# Altium PCB MiniPC.PcbDoc (part 6 of 23) (continued)
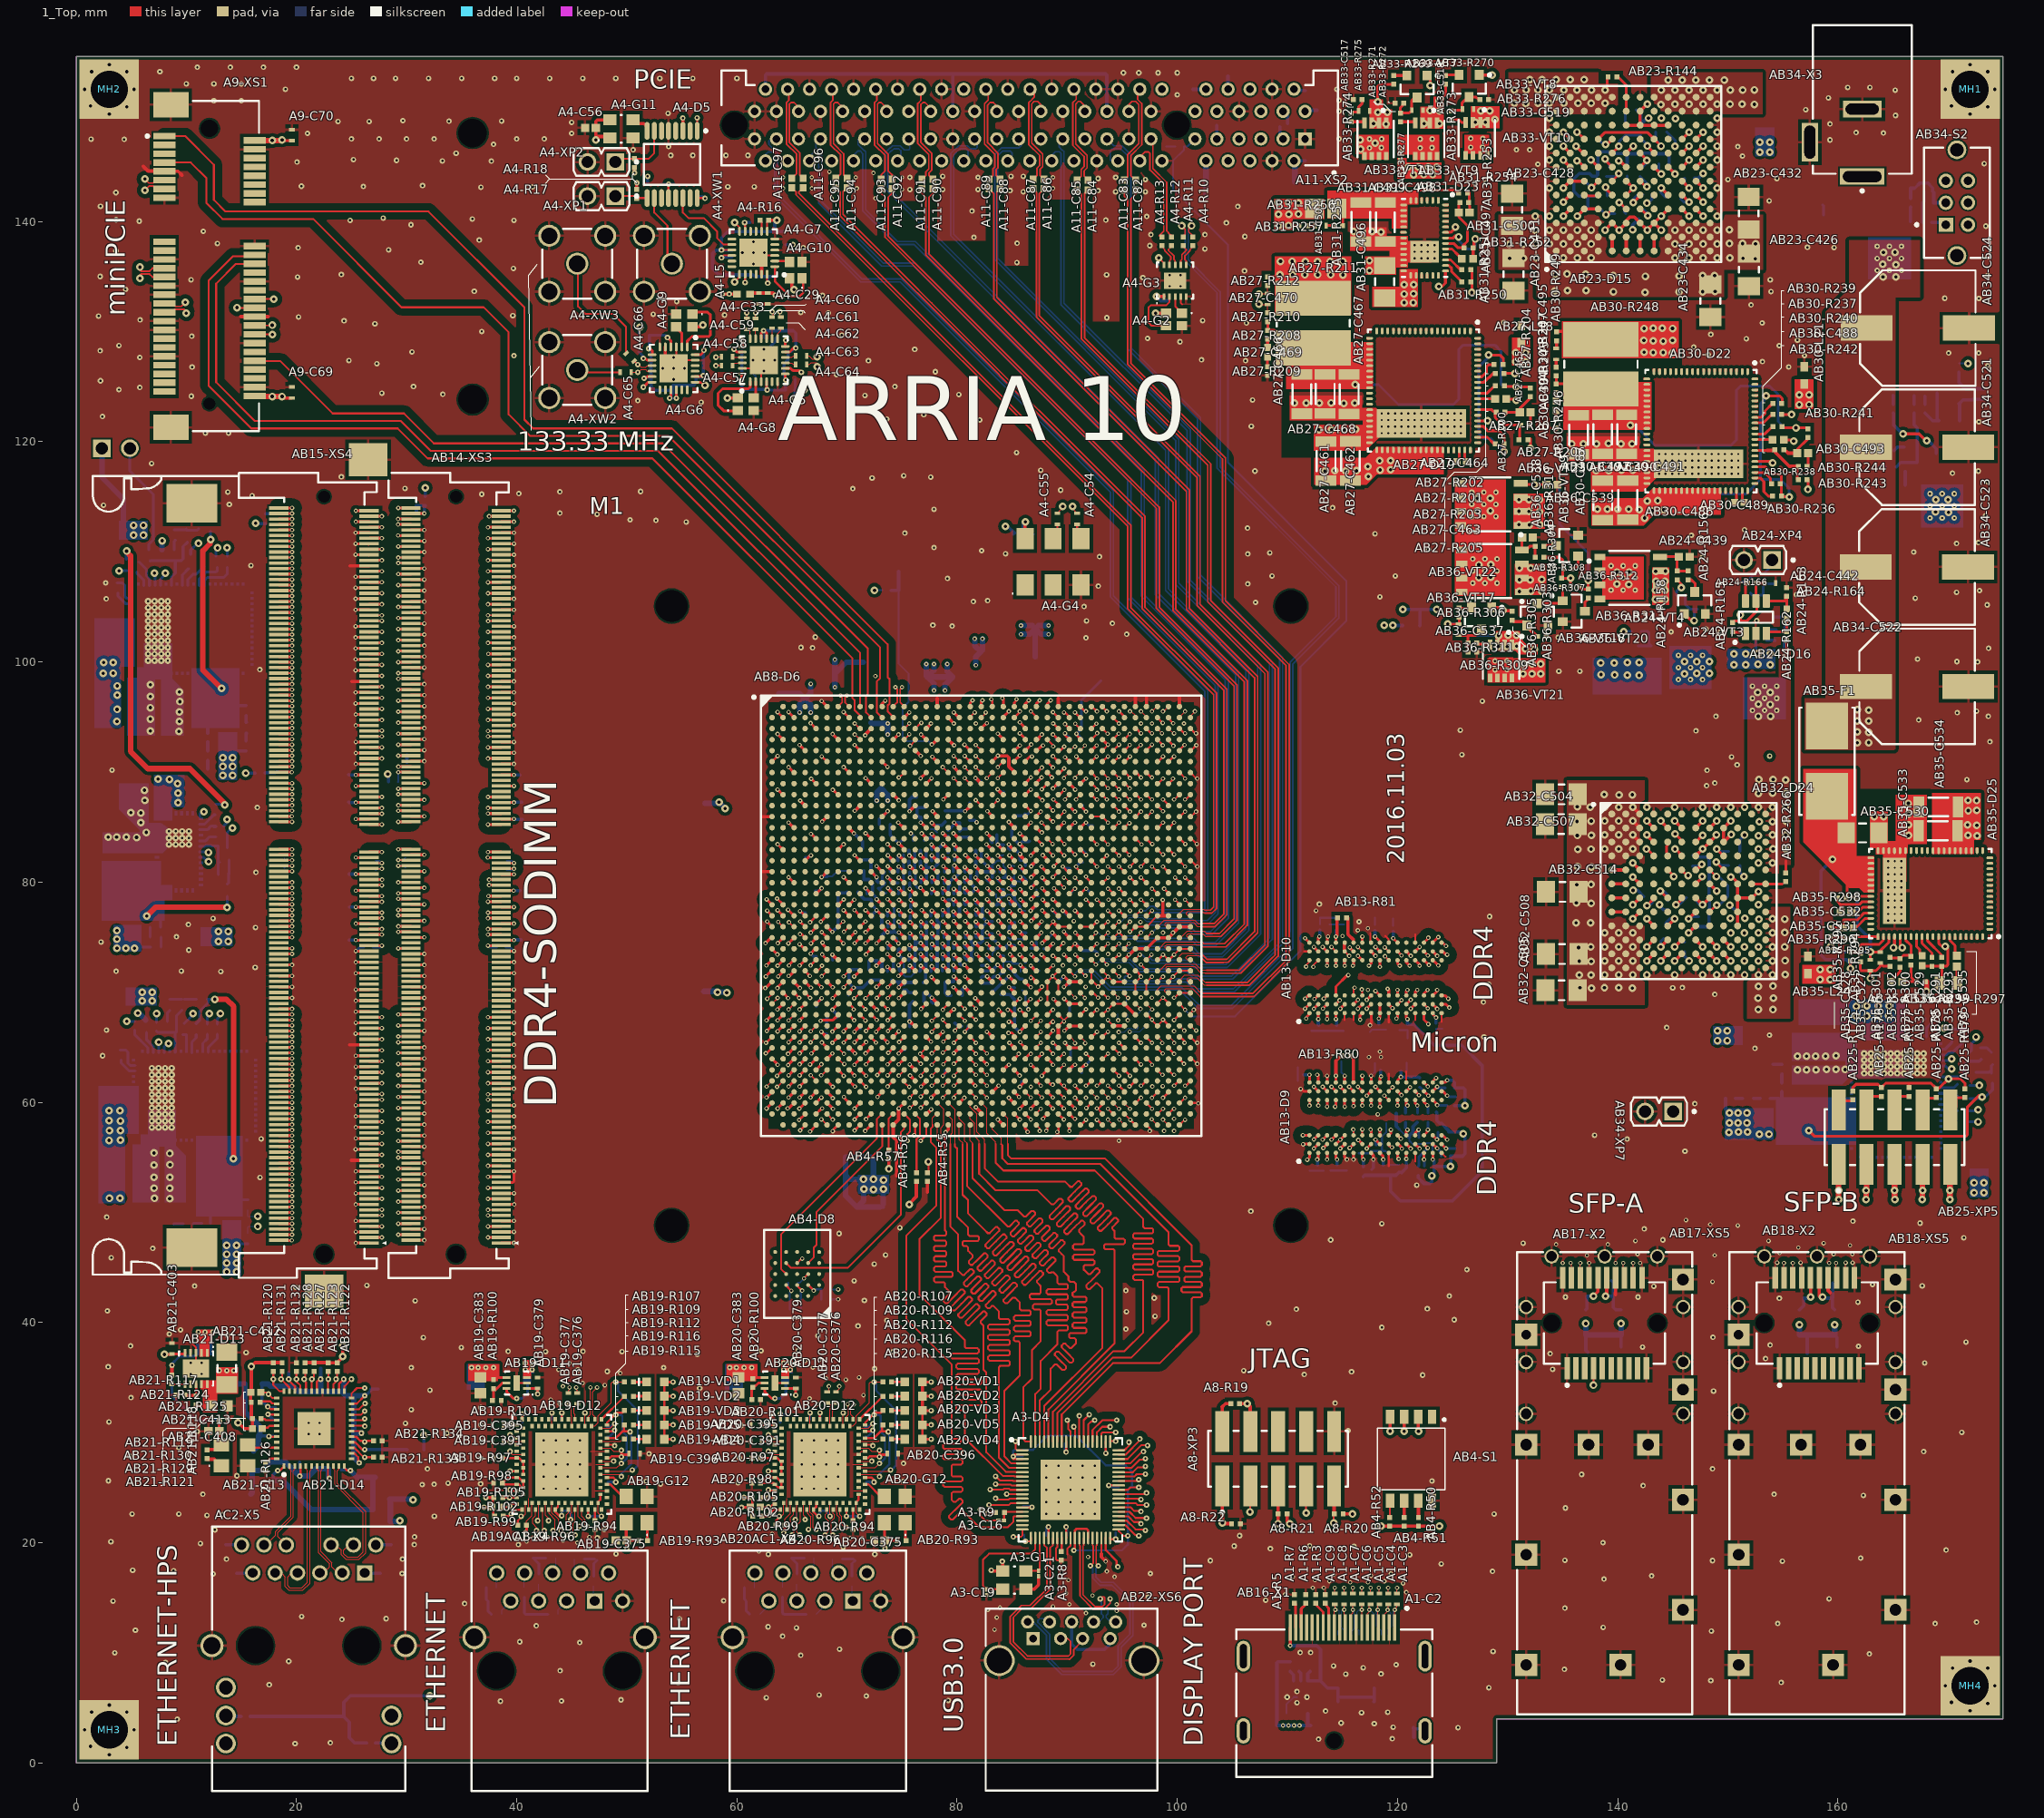
[diagram p0: 1_Top view]
## Footprints (in the part's own frame and the unit in brackets; to place one, negate y for a bottom-side part, rotate by r counter-clockwise, add the part's x,y. Pads: shape width x height; smd on the part's side, far side on the other; paste and mask are expansions set on the pad) (continued)
  round 0 hole 2.35 unplated: MH1(13.367,0) MH2(-26.793,0)
  silkscreen extent -28,-4.47 28,4.96, body extent -28,-3.65 28,5.05, height 11.01
SMTC-TSM-105-01-T-DV_V [mm]
  rect 1.27x3.68 smd: 1(-5.08,-2.475) 2(-5.08,2.475) 3(-2.54,-2.475) 4(-2.54,2.475) 5(0,-2.475) 6(0,2.475) 7(2.54,-2.475) 8(2.54,2.475) 9(5.08,-2.475) 10(5.08,2.475)
  silkscreen extent -6.35,-4.99 6.35,2.54, body extent -6.35,-3.85 6.35,3.85, height 9.65
STAC-CSS2725-099H_V [mm]
  rect 3.18x6.86 smd: 1(-2.25,0) 2(2.25,0)
  silkscreen extent -0.3,-3.33 0.3,3.33, body extent -3.53,-3.35 3.53,3.35, height 1.24
VISH-PPAK1212-8S_V [mm]
  rect 0.99x0.405 smd: 1(-1.435,0.99) 2(-1.435,0.33) 3(-1.435,-0.33) 4(-1.435,-0.99)
  rect 0.76x0.405 smd: 5(1.55,-0.99) 6(1.55,-0.33) 7(1.55,0.33) 8(1.55,0.99)
  1_Top region: -0.305,-1.117 1.42,-1.117 1.42,1.117 -0.305,1.117
  silkscreen extent -2.7,-1.65 1.65,1.65, body extent -1.65,-1.65 1.65,1.65, height 0.83
VISH-PPAKSO-8_V [mm]
  rect 1.27x0.61 smd: 1(-2.732,1.905) 2(-2.732,0.635) 3(-2.732,-0.635) 4(-2.732,-1.905)
  rect 1.02x0.61 smd: 5(2.733,-1.905) 6(2.733,-0.635) 7(2.733,0.635) 8(2.733,1.905)
  1_Top region: -1.277,1.955 2.533,1.955 2.533,-1.955 -1.277,-1.955
  silkscreen extent -2.86,-2.45 1.9,2.88, body extent -2.95,-2.45 2.95,2.45, height 1.12
WE-7499111001A_V [mm]
  rect 1.4x1.4 hole 0.89: 1(-3.175,-1.905)
  round 1.4 hole 0.89: 2(-1.905,-4.445) 3(0.635,-4.445) 4(1.905,-1.905) 5(-0.635,-1.905) 6(3.175,-4.445) 7(4.445,-1.905) 8(5.715,-4.445) 9(-4.445,-4.445) 10(-5.715,-1.905)
  round 0 hole 3.25 unplated: MH1(-5.715,4.445) MH2(5.715,4.445)
  round 2.15 hole 1.63: S1(-7.745,1.395) S2(7.745,1.395)
  silkscreen extent -8,-6.49 8,15.35, body extent -9.22,-6.26 9.22,15.34, height 14.82
WE-61300211121_V [mm]
  rect 1.6x1.6 hole 1.1: 1(-1.27,0)
  round 1.6 hole 1.1: 2(1.27,0)
  silkscreen extent -3.31,-1.27 2.54,1.27, body extent -2.54,-1.27 2.54,1.27, height 8.54

## Part data
A1-C1 A4-C36 AB19-C383 AB20-C383 AB21-C406 AB21-C410 AB21-C413 AB21-C416 AB21-C417 AB21-C421: library part E23, "Chip Capacitor, 2.2 uF, +/- 10%, 10 V, -55 to 85 degC, 0603 (1608 Metric), RoHS, Tape and Reel", Capacitance="2.2 uF", Case/Package=0603, Case Code (Metric)=1608, Max Operating Temperature="85 degC", Min Operating Temperature="-55 degC", Package Quantity=10000, Tolerance=10%, Case Code (Imperial)=0603, ComponentLink1Description="Manufacturer URL", ComponentLink1URL=http://www.murata.com/, ComponentLink2Description=Datasheet, ComponentLink2URL=https://datasheet.ciiva.com/134/grm188r61a225ke34-01-134206.pdf, DatasheetVersion=01/2013, Height="0.8 mm", Length="0.063 inch", Mounting Technology="Surface Mount", PackageDescription="2-Pin Surface Mount Device, Body 1.6 x 0.8 mm", Packaging="Tape and Reel", PartNumber=GRM188R61A225KE34x, Radiation Hardening=No, RoHSCompliant=True, UID=E23, Width="0.031 inch", Тип элемента=Конденсатор
  A1-C1: New_des=C1, Old_des=C297
  A4-C36: New_des=C36, Old_des=C542
  AB19-C383 AB20-C383: New_des=C393, Old_des=C329
  AB21-C406: New_des=C415, Old_des=C386
  AB21-C410: New_des=C419, Old_des=C379
  AB21-C413: New_des=C422, Old_des=C375
  AB21-C416: New_des=C425, Old_des=C372
  AB21-C417: New_des=C426, Old_des=C382
  AB21-C421: New_des=C430, Old_des=C368
A1-C2 A1-C3 A1-C4 A1-C5 A1-C6 A1-C7 A1-C8 A1-C9 A1-C10 A1-C11 A1-C12 A3-C18 A3-C20 A3-C22 A3-C23 A3-C24 A3-C25 A3-C26 A3-C27 A4-C29 A4-C30 A4-C31 A4-C32 A4-C33 A4-C34 A4-C35 A4-C38 A4-C39 A4-C40 A4-C41 A4-C42 A4-C43 A4-C44 A4-C45 A4-C46 A4-C47 A4-C48 A4-C49 A4-C50 A4-C51 A4-C52 A4-C53 A4-C54 A4-C55 A4-C57 A4-C58 A4-C59 A4-C60 A4-C61 A4-C62 A4-C63 A4-C64 A4-C65 A4-C66 A4-C67 A4-C68 A9-C69 A9-C70 A11-C72 A11-C73 A11-C74 A11-C75 A11-C76 A11-C77 A11-C78 A11-C79 A11-C80 AB3-C334 AB4-C335 AB4-C336 AB14-C356 AB14-C357 AB14-C358 AB14-C359 AB14-C360 AB14-C361 AB14-C362 AB15-C363 AB15-C364 AB15-C365 AB15-C366 AB15-C367 AB15-C368 AB15-C369 AB17-C370 AB17-C372 AB17-C373 AB18-C370 AB18-C372 AB18-C373 AB19-C376 AB19-C377 AB19-C380 AB19-C382 AB19-C384 AB19-C385 AB19-C386 AB19-C388 AB19-C389 AB19-C390 AB19-C391 AB19-C392 AB19-C393 AB19-C395 AB19-C396 AB19-C397 AB19-C398 AB20-C376 AB20-C377 AB20-C380 AB20-C382 AB20-C384 AB20-C385 AB20-C386 AB20-C388 AB20-C389 AB20-C390 AB20-C391 AB20-C392 AB20-C393 AB20-C395 AB20-C396 AB20-C397 AB20-C398 AB21-C407 AB21-C411 AB21-C414 AB21-C415 AB21-C420 AB24-C440 AB24-C442 AB34-C520: library part E11, "Chip Capacitor, 0.1 uF, +/- 20%, 25 V, -55 to 125 degC, 0402 (1005 Metric), RoHS, Tape and Reel", Capacitance="100 nF", Case\/Package=0402, Case Code (Metric)=1005, Max Operating Temperature="125 degC", Min Operating Temperature="-55 degC", Package Quantity=10000, Tolerance=20%, Type (Capacitors)=X7R, Voltage Rating="25 V", Case Code (Imperial)=0402, ComponentLink1Description="Manufacturer URL", ComponentLink1URL=http://www.tdk.com/, ComponentLink2Description=Datasheet, ComponentLink2URL=http://www.farnell.com/datasheets/1571323.pdf, DatasheetVersion=09/2011, Height="0.5 mm", Length="1 mm", Mount="Surface Mount", Mounting Technology="Surface Mount", PackageDescription="2-Pin Surface Mount Device, Body 1 x 0.5 mm", PackageReference=0402, Packaging="Tape and Reel", PartNumber=C1005X7R1E104M, Pins=2, RoHSCompliant=true, UID=E11, Voltage Rating (DC)="25 V", Width="0.5 mm", Тип элемента=Конденсатор
  A1-C2: New_des=C2, Old_des=C309
  A1-C3: New_des=C3, Old_des=C307
  A1-C4: New_des=C4, Old_des=C306
  A1-C5: New_des=C5, Old_des=C305
  A1-C6: New_des=C6, Old_des=C304
  A1-C7: New_des=C7, Old_des=C303
  A1-C8: New_des=C8, Old_des=C302
  A1-C9: New_des=C9, Old_des=C301
  A1-C10: New_des=C10, Old_des=C298
  A1-C11: New_des=C12, Old_des=C300
  A1-C12: New_des=C11, Old_des=C299
  A3-C18: New_des=C18, Old_des=C570
  A3-C20: New_des=C20, Old_des=C571
  A3-C22: New_des=C22, Old_des=C566
  A3-C23: New_des=C23, Old_des=C572
  A3-C24: New_des=C24, Old_des=C567
  A3-C25: New_des=C25, Old_des=C573
  A3-C26: New_des=C26, Old_des=C568
  A3-C27: New_des=C27, Old_des=C574
  A4-C29: New_des=C29, Old_des=C540
  A4-C30: New_des=C30, Old_des=C510
  A4-C31: New_des=C31, Old_des=C525
  A4-C32: New_des=C32, Old_des=C541
  A4-C33: New_des=C33, Old_des=C539
  A4-C34: New_des=C34, Old_des=C511
  A4-C35: New_des=C35, Old_des=C526
  A4-C38: New_des=C38, Old_des=C532
  A4-C39: New_des=C39, Old_des=C512
  A4-C40: New_des=C40, Old_des=C527
  A4-C41: New_des=C41, Old_des=C533
  A4-C42: New_des=C42, Old_des=C548
  A4-C43: New_des=C43, Old_des=C513
  A4-C44: New_des=C44, Old_des=C528
  A4-C45: New_des=C45, Old_des=C538
  A4-C46: New_des=C46, Old_des=C534
  A4-C47: New_des=C47, Old_des=C514
  A4-C48: New_des=C48, Old_des=C529
  A4-C49: New_des=C49, Old_des=C537
  A4-C50: New_des=C50, Old_des=C535
  A4-C51: New_des=C51, Old_des=C515
  A4-C52: New_des=C52, Old_des=C530
  A4-C53: New_des=C53, Old_des=C536
  A4-C54: New_des=C54, Old_des=C544
  A4-C55: New_des=C55, Old_des=C545
  A4-C57: New_des=C57, Old_des=C516
  A4-C58: New_des=C58, Old_des=C517
  A4-C59: New_des=C59, Old_des=C518
  A4-C60: New_des=C60, Old_des=C519
  A4-C61: New_des=C61, Old_des=C520
  A4-C62: New_des=C62, Old_des=C521
  A4-C63: New_des=C63, Old_des=C522
  A4-C64: New_des=C64, Old_des=C523
  A4-C65: New_des=C65, Old_des=C524
  A4-C66: New_des=C66, Old_des=C531
  A4-C67: New_des=C67, Old_des=C546
  A4-C68: New_des=C68, Old_des=C547
  A9-C69: New_des=C69, Old_des=C481
  A9-C70: New_des=C70, Old_des=C482
  A11-C72: New_des=C72, Old_des=C501
  A11-C73: New_des=C73, Old_des=C483
  A11-C74: New_des=C74, Old_des=C502
  A11-C75: New_des=C75, Old_des=C503
  A11-C76: New_des=C76, Old_des=C504
  A11-C77: New_des=C77, Old_des=C505
  A11-C78: New_des=C78, Old_des=C506
  A11-C79: New_des=C79, Old_des=C507
  A11-C80: New_des=C80, Old_des=C508
  AB3-C334: New_des=C334, Old_des=C131
  AB4-C335: New_des=C335, Old_des=C388
  AB4-C336: New_des=C336, Old_des=C389
  AB14-C356: New_des=C356, Old_des=C288
  AB14-C357: New_des=C357, Old_des=C283
  AB14-C358: New_des=C358, Old_des=C284
  AB14-C359: New_des=C359, Old_des=C285
  AB14-C360: New_des=C360, Old_des=C286
  AB14-C361: New_des=C361, Old_des=C289
  AB14-C362: New_des=C362, Old_des=C287
  AB15-C363: New_des=C372, Old_des=C295
  AB15-C364: New_des=C373, Old_des=C290
  AB15-C365: New_des=C374, Old_des=C291
  AB15-C366: New_des=C375, Old_des=C292
  AB15-C367: New_des=C376, Old_des=C293
  AB15-C368: New_des=C377, Old_des=C296
  AB15-C369: New_des=C378, Old_des=C294
  AB17-C370 AB18-C370: New_des=C379, Old_des=C551
  AB17-C372 AB18-C372: New_des=C381, Old_des=C553
  AB17-C373 AB18-C373: New_des=C382, Old_des=C550
  AB19-C376 AB20-C376: New_des=C385, Old_des=C315
  AB19-C377 AB20-C377: New_des=C386, Old_des=C313
  AB19-C380 AB20-C380: New_des=C389, Old_des=C319
  AB19-C382 AB20-C382: New_des=C390, Old_des=C320
  AB19-C384 AB20-C384: New_des=C392, Old_des=C321
  AB19-C385 AB20-C385: New_des=C395, Old_des=C331
  AB19-C386 AB20-C386: New_des=C394, Old_des=C322
  AB19-C388 AB20-C388: New_des=C398, Old_des=C332
  AB19-C389 AB20-C389: New_des=C397, Old_des=C323
  AB19-C390 AB20-C390: New_des=C399, Old_des=C316
  AB19-C391 AB20-C391: New_des=C401, Old_des=C333
  AB19-C392 AB20-C392: New_des=C400, Old_des=C324
  AB19-C393 AB20-C393: New_des=C402, Old_des=C317
  AB19-C395 AB20-C395: New_des=C405, Old_des=C334
  AB19-C396 AB20-C396: New_des=C404, Old_des=C325
  AB19-C397 AB20-C397: New_des=C408, Old_des=C335
  AB19-C398 AB20-C398: New_des=C407, Old_des=C326
  AB21-C407: New_des=C416, Old_des=C387
  AB21-C411: New_des=C420, Old_des=C380
  AB21-C414: New_des=C423, Old_des=C373
  AB21-C415: New_des=C424, Old_des=C383
  AB21-C420: New_des=C429, Old_des=C369
  AB24-C440: New_des=C449, Old_des=C68
  AB24-C442: New_des=C451, Old_des=C69
  AB34-C520: New_des=C520, Old_des=C79
A1-C13: library part E24, "Chip Capacitor, 4.7 nF, +/- 10%, 50 V, -55 to 125 degC, 0402 (1005 Metric), RoHS, Tape and Reel", Capacitance="4.7 nF", Case\/Package=0402, Case Code (Metric)=1005, Manufacturer="Basic Passives", Max Operating Temperature="125 degC", Min Operating Temperature="-55 degC", Package Quantity=1, Tolerance=10%, Type (Capacitors)=X7R, Voltage Rating="50 V", Case Code (Imperial)=0402, ComponentLink1Description="Manufacturer URL", ComponentLink1URL=http://www.murata.com/, ComponentLink2Description=Datasheet, ComponentLink2URL=http://search.murata.co.jp/Ceramy/image/img/A01X/G101/ENG/GRM155R71H472KA01-01.pdf, DatasheetVersion=02/2016, Height="0.5 mm", Lead Pitch="2 mm", Length="1 mm", Mount="Surface Mount", Mounting Technology="Surface Mount", New_des=C13, Old_des=C308, PackageDescription="2-Pin Surface Mount Device, Body 1 x 0.5 mm", PackageReference=0402, Packaging="Cut Tape", PartNumber=GRM155R71H472KA01D, Pins=2, Radiation Hardening=No, REACH SVHC="No SVHC", RoHSCompliant=true, UID=E24, Voltage Rating (DC)="50 V", Width="0.5 mm", Тип элемента=Конденсатор
A1-D1: library part E115, "Adjustable Current-Limit Switch, 1.7 to 5.5 V, -40 to 125 degC, 8-Pin TDFN (T833+2), RoHS", Manufacturer=Maxim, Operating Temperature="-40 to 125 degC", ComponentLink1Description="Manufacturer URL", ComponentLink1URL=http://www.maximintegrated.com/, ComponentLink2Description=Datasheet, ComponentLink2URL=http://datasheets.maximintegrated.com/en/ds/MAX14523A-MAX14523C.pdf, ComponentLink3Description="Package Specification", ComponentLink3URL=http://pdfserv.maximintegrated.com/package_dwgs/21-0137.PDF, DatasheetVersion="Rev. 1", ILIM="0.25 to 1.5 A", IQ="170 uA Typ.", Mounting Technology="Surface Mount", New_des=D1, Old_des=U16, PackageDescription="8-Pin SON, Body 3 x 3 mm, Pitch 0.65 mm", PackageVersion=Mar-14, PartNumber=MAX14523AATA+, RoHS=TRUE, RON="70 mOhm Typ.", UID=E115, VIH="1.6 V Min.", VIL="0.4 V Max.", VIN="1.7 to 5.5 V", Тип элемента="Электронный ключ"
A1-D2 A1-D3: library part E29, "TVS Diode WE-TVS-SS, VRWM=5V", Manufacturer="Wuerth Elektronik", Reverse Stand Off Voltage=5V, ComponentLink1Description="Manufacturer URL", ComponentLink1URL=http://www.we-online.com, ComponentLink2Description=Datasheet, ComponentLink2URL=http://katalog.we-online.de/kataloge/eisos/media/pdf/82401646.pdf, PackageReference=MSOP-8L, PartNumber=82401646, UID=E29, Тип элемента="Сборка диодная"
  A1-D2: New_des=D2, Old_des=D3
  A1-D3: New_des=D3, Old_des=D4
A1-R1: library part E98, "Chip Resistor, 280 KOhm, +/- 1%, 100 mW, -55 to 155 degC, 0402 (1005 Metric), RoHS, Cut Tape", Case\/Package=0402, Case Code (Metric)=1005, Manufacturer="Basic Passives", Max Operating Temperature="155 degC", Min Operating Temperature="-55 degC", Package Quantity=10000, Power Rating="100 mW", Resistance="280 KOhm", Tolerance=1%, Voltage Rating="50 V", Case Code (Imperial)=0402, ComponentLink1Description="Manufacturer URL", ComponentLink1URL=http://www.panasonic.com/, ComponentLink2Description=Datasheet, ComponentLink2URL=http://industrial.panasonic.com/cdbs/www-data/pdf/RDA0000/AOA0000C86.pdf, DatasheetVersion=04/2015, Height="0.016 inch", Length="0.039 inch", Mount="Surface Mount", Mounting Technology="Surface Mount", New_des=R1, Old_des=R243, PackageDescription="2-Pin Surface Mount Device, Body 1 x 0.5 mm", PackageReference=0402, Packaging="Cut Tape", PartNumber=ERJ-2RKF2803X, Pins=2, REACH SVHC=Yes, RoHSCompliant=true, UID=E98, Width="0.02 inch", Тип элемента=Резистор
A1-R2 A1-R7 AB3-R44 AB24-R152 AB24-R154 AB24-R158 AB24-R160 AB25-R168 AB26-R187 AB27-R200 AB28-R215 AB29-R229 AB30-R236 AB31-R251 AB33-R272 AB33-R275 AB33-R276 AB33-R277 AB34-R285 AB34-R290 AB35-R295 AB36-R304 AB36-R307 AB36-R308 AB36-R312: library part E58, "Chip Resistor, 100 KOhm, +/- 1%, 100 mW, -55 to 155 degC, 0402 (1005 Metric), RoHS, Tape and Reel", Case\/Package=0402, Case Code (Metric)=1005, Manufacturer="Basic Passives", Max Operating Temperature="155 degC", Min Operating Temperature="-55 degC", Package Quantity=10000, Power Rating="100 mW", Resistance="100 KOhm", Tolerance=1%, Voltage Rating="50 V", Case Code (Imperial)=0402, ComponentLink1Description="Manufacturer URL", ComponentLink1URL=http://www.panasonic.com/, ComponentLink2Description=Datasheet, ComponentLink2URL=http://industrial.panasonic.com/cdbs/www-data/pdf/RDA0000/AOA0000C86.pdf, DatasheetVersion=04/2015, Height="0.35 mm", Length="1 mm", Mount="Surface Mount", Mounting Technology="Surface Mount", PackageDescription="2-Pin Surface Mount Device, Body 1 x 0.5 mm", PackageReference=0402, Packaging="Tape and Reel", PartNumber=ERJ-2RKF1003X, Pins=2, Radiation Hardening=No, REACH SVHC=Yes, RoHSCompliant=true, UID=E58, Width="0.5 mm", Тип элемента=Резистор
  A1-R2: New_des=R2, Old_des=R242
  A1-R7: New_des=R7, Old_des=R244
  AB3-R44: New_des=R44, Old_des=R207
  AB24-R152: New_des=R171, Old_des=R125
  AB24-R154: New_des=R173, Old_des=R124
  AB24-R158: New_des=R177, Old_des=R115
  AB24-R160: New_des=R179, Old_des=R116
  AB25-R168: New_des=R90, Old_des=R77
  AB26-R187: New_des=R188, Old_des=R61
  AB27-R200: New_des=R200, Old_des=R47
  AB28-R215: New_des=R215, Old_des=R34
  AB29-R229: New_des=R229, Old_des=R89
  AB30-R236: New_des=R237, Old_des=R102
  AB31-R251: New_des=R251, Old_des=R111
  AB33-R272: New_des=R272, Old_des=R16
  AB33-R275: New_des=R276, Old_des=R20
  AB33-R276: New_des=R274, Old_des=R17
  AB33-R277: New_des=R277, Old_des=R18
  AB34-R285: New_des=R285, Old_des=R137
  AB34-R290: New_des=R290, Old_des=R131
  AB35-R295: New_des=R295, Old_des=R176
  AB36-R304: New_des=R304, Old_des=R10
  AB36-R307: New_des=R307, Old_des=R4
  AB36-R308: New_des=R308, Old_des=R8
  AB36-R312: New_des=R312, Old_des=R5
A1-R3 A1-R4 A1-R6 AB29-R230: library part E81, "Chip Resistor, 1 MOhm, +/- 1%, 100 mW, -55 to 155 degC, 0402 (1005 Metric), RoHS, Tape and Reel", Case\/Package=0402, Case Code (Metric)=1005, Manufacturer="Basic Passives", Max Operating Temperature="155 degC", Min Operating Temperature="-55 degC", Package Quantity=10000, Power Rating="100 mW", Resistance="1 MOhm", Tolerance=1%, Voltage Rating="50 V", Case Code (Imperial)=0402, ComponentLink1Description="Manufacturer URL", ComponentLink1URL=http://www.panasonic.com/, ComponentLink2Description=Datasheet, ComponentLink2URL=http://industrial.panasonic.com/cdbs/www-data/pdf/RDA0000/AOA0000C86.pdf, DatasheetVersion=04/2015, Height="0.35 mm", Length="1 mm", Mount="Surface Mount", Mounting Technology="Surface Mount", PackageDescription="2-Pin Surface Mount Device, Body 1 x 0.5 mm", PackageReference=0402, Packaging="Tape and Reel", PartNumber=ERJ-2RKF1004X, Pins=2, Radiation Hardening=No, REACH SVHC=Yes, RoHSCompliant=true, UID=E81, Weight=2.8E-05oz, Width="0.5 mm", Тип элемента=Резистор
  A1-R3: New_des=R3, Old_des=R246
  A1-R4: New_des=R5, Old_des=R248
  A1-R6: New_des=R6, Old_des=R247
  AB29-R230: New_des=R230, Old_des=R88
A1-R5 A4-R10 A4-R11 A4-R12 A4-R13 AB2-R24 AB2-R25 AB4-R55 AB19-R97 AB19-R98 AB20-R97 AB20-R98 AB23-R135 AB23-R136 AB23-R137 AB23-R144 AB23-R145 AB25-R167 AB25-R171 AB25-R173 AB26-R188 AB26-R189 AB26-R191 AB27-R203 AB27-R204 AB28-R217 AB28-R218 AB29-R232 AB30-R238 AB30-R240 AB30-R241 AB31-R250 AB31-R254 AB32-R258 AB32-R259 AB32-R260 AB32-R266 AB35-R299: library part E64, "Chip Resistor, 0 mOhm, +/- 5%, 100 mW, -55 to 155 degC, 0402 (1005 Metric), RoHS, Tape and Reel", Case\/Package=0402, Case Code (Metric)=1005, Manufacturer="Basic Passives", Max Operating Temperature="155 degC", Min Operating Temperature="-55 degC", Package Quantity=10000, Power Rating="100 mW", Resistance="0 mOhm", Tolerance=5%, Voltage Rating="50 V", Case Code (Imperial)=0402, ComponentLink1Description="Manufacturer URL", ComponentLink1URL=http://www.panasonic.com/, ComponentLink2Description=Datasheet, ComponentLink2URL=http://industrial.panasonic.com/cdbs/www-data/pdf/RDA0000/AOA0000C84.pdf, DatasheetVersion=03/2015, Height="0.35 mm", Length="1 mm", Mount="Surface Mount", Mounting Technology="Surface Mount", PackageDescription="2-Pin Surface Mount Device, Body 1 x 0.5 mm", PackageReference=0402, Packaging="Tape and Reel", PartNumber=ERJ-2GE0R00X, Pins=2, Radiation Hardening=No, REACH SVHC=Unknown, RoHSCompliant=true, UID=E64, Width="0.5 mm", Тип элемента=Резистор
  A1-R5: New_des=R4, Old_des=R245
  A4-R10: New_des=R10, Old_des=R335
  A4-R11: New_des=R11, Old_des=R336
  A4-R12: New_des=R12, Old_des=R337
  A4-R13: New_des=R13, Old_des=R338
  AB2-R24: New_des=R24, Old_des=R326
  AB2-R25: New_des=R25, Old_des=R327
  AB4-R55: New_des=R56, Old_des=R323
  AB19-R97 AB20-R97: New_des=R116, Old_des=R257
  AB19-R98 AB20-R98: New_des=R117, Old_des=R258
  AB23-R135: New_des=R154, Old_des=R156
  AB23-R136: New_des=R155, Old_des=R157
  AB23-R137: New_des=R156, Old_des=R166
  AB23-R144: New_des=R163, Old_des=R155
  AB23-R145: New_des=R165, Old_des=R163
  AB25-R167: New_des=R89, Old_des=R74
  AB25-R171: New_des=R92, Old_des=R71
  AB25-R173: New_des=R94, Old_des=R68
  AB26-R188: New_des=R187, Old_des=R59
  AB26-R189: New_des=R189, Old_des=R57
  AB26-R191: New_des=R191, Old_des=R54
  AB27-R203: New_des=R203, Old_des=R43
  AB27-R204: New_des=R204, Old_des=R41
  AB28-R217: New_des=R216, Old_des=R29
  AB28-R218: New_des=R218, Old_des=R26
  AB29-R232: New_des=R232, Old_des=R85
  AB30-R238: New_des=R236, Old_des=R100
  AB30-R240: New_des=R240, Old_des=R97
  AB30-R241: New_des=R241, Old_des=R95
  AB31-R250: New_des=R250, Old_des=R109
  AB31-R254: New_des=R254, Old_des=R107
  AB32-R258: New_des=R258, Old_des=R143
  AB32-R259: New_des=R259, Old_des=R142
  AB32-R260: New_des=R260, Old_des=R149
  AB32-R266: New_des=R266, Old_des=R141
  AB35-R299: New_des=R299, Old_des=R173
A3-C14 A3-C15 A3-C16 A3-C17 A3-C19 A3-C21 A3-C28 AB1-C98 AB1-C99 AB1-C100 AB1-C101 AB1-C102 AB1-C103 AB1-C104 AB1-C105 AB1-C110 AB1-C111 AB1-C112 AB1-C113 AB1-C114 AB1-C115 AB1-C116 AB1-C117 AB1-C118 AB1-C119 AB1-C122 AB1-C123 AB1-C124 AB1-C125 AB1-C126 AB1-C127 AB1-C128 AB1-C129 AB1-C130 AB1-C131 AB1-C134 AB1-C135 AB1-C136 AB1-C137 AB1-C138 AB1-C139 AB1-C140 AB1-C141 AB1-C142 AB1-C143 AB1-C146 AB1-C147 AB1-C148 AB1-C149 AB1-C150 AB1-C151 AB1-C152 AB1-C153 AB1-C154 AB1-C155 AB1-C158 AB1-C159 AB1-C160 AB1-C161 AB1-C162 AB1-C163 AB1-C164 AB1-C165 AB1-C166 AB1-C169 AB1-C170 AB1-C171 AB1-C172 AB1-C173 AB1-C174 AB1-C175 AB1-C176 AB1-C177 AB1-C180 AB1-C181 AB1-C182 AB1-C183 AB1-C184 AB1-C185 AB1-C186 AB1-C187 AB1-C190 AB1-C191 AB1-C192 AB1-C193 AB1-C194 AB1-C195 AB1-C196 AB1-C197 AB1-C198 AB1-C199 AB1-C200 AB1-C201 AB1-C202 AB1-C203 AB1-C204 AB1-C205 AB1-C206 AB1-C207 AB1-C208 AB1-C209 AB1-C210 AB1-C211 AB1-C212 AB1-C213 AB1-C214 AB1-C215 AB1-C216 AB1-C217 AB1-C218 AB1-C219 AB1-C220 AB1-C221 AB1-C222 AB1-C223 AB1-C224 AB1-C225 AB1-C226 AB1-C227 AB1-C228 AB1-C229 AB2-C232 AB2-C234 AB2-C235 AB2-C236 AB2-C237 AB2-C238 AB2-C240 AB2-C241 AB2-C242 AB2-C243 AB2-C244 AB2-C246 AB2-C247 AB2-C248 AB2-C249 AB2-C250 AB2-C252 AB2-C253 AB2-C254 AB2-C255 AB2-C257 AB2-C258 AB2-C259 AB2-C260 AB2-C262 AB2-C263 AB2-C264 AB2-C265 AB2-C267 AB2-C268 AB2-C269 AB2-C270 AB2-C272 AB2-C273 AB2-C274 AB2-C275 AB2-C277 AB2-C278 AB2-C279 AB2-C280 AB2-C282 AB2-C283 AB2-C284 AB2-C285 AB2-C287 AB2-C288 AB2-C289 AB2-C290 AB2-C292 AB2-C293 AB2-C294 AB2-C295 AB2-C297 AB2-C298 AB2-C299 AB2-C300 AB2-C302 AB2-C303 AB2-C304 AB2-C306 AB2-C307 AB2-C308 AB2-C310 AB2-C311 AB2-C312 AB2-C313 AB2-C314 AB2-C315 AB2-C316 AB2-C317 AB2-C318 AB2-C319 AB2-C320 AB3-C321 AB3-C322 AB3-C323 AB3-C324 AB3-C325 AB3-C326 AB3-C327 AB3-C328 AB3-C329 AB3-C330 AB3-C331 AB3-C332 AB3-C333 AB13-C337 AB13-C338 AB13-C339 AB13-C340 AB13-C341 AB13-C342 AB13-C343 AB13-C344 AB13-C345 AB13-C346 AB13-C347 AB13-C348 AB13-C349 AB13-C350 AB13-C351 AB13-C352 AB13-C353 AB13-C354 AB13-C355: library part E22, "Chip Capacitor, 100 nF, +/- 10%, 6.3 V, -55 to 85 degC, 0201 (0603 Metric), RoHS, Tape and Reel", Capacitance="100 nF", Case\/Package=0201, Case Code (Metric)=0603, Manufacturer="Basic Passives", Max Operating Temperature="85 degC", Min Operating Temperature="-55 degC", Package Quantity=15000, Tolerance=10%, Type (Capacitors)=X5R, Voltage Rating="6.3 V", Voltage Rating (DC)="3 V", Case Code (Imperial)=0201, ComponentLink1Description="Manufacturer URL", ComponentLink1URL=http://www.murata.com/, ComponentLink2Description=Datasheet, ComponentLink2URL=http://search.murata.co.jp/Ceramy/image/img/A01X/G101/ENG/GRM033R60J104KE19-01.pdf, DatasheetVersion=03/2016, Height="0.3 mm", Length="0.6 mm", Mount="Surface Mount", Mounting Technology="Surface Mount", PackageDescription="2-Pin Surface Mount Device, Body 0.6 x 0.3 mm", PackageReference=0201, Packaging="Tape and Reel", PartNumber=GRM033R60J104KE19D, Pins=2, Radiation Hardening=No, REACH SVHC="No SVHC", RoHSCompliant=true, UID=E22, Width="0.3 mm", Тип элемента=Конденсатор
  A3-C14: New_des=C14, Old_des=C561
  A3-C15: New_des=C15, Old_des=C560
  A3-C16: New_des=C16, Old_des=C563
  A3-C17: New_des=C17, Old_des=C562
  A3-C19: New_des=C19, Old_des=C564
  A3-C21: New_des=C21, Old_des=C565
  A3-C28: New_des=C28, Old_des=C569
  AB1-C98: Old_des=C153
  AB1-C99: Old_des=C154
  AB1-C100: Old_des=C155
  AB1-C101: Old_des=C156
  AB1-C102: Old_des=C157
  AB1-C103: Old_des=C158
  AB1-C104: Old_des=C159
  AB1-C105: Old_des=C160
  AB1-C110: Old_des=C168
  AB1-C111: Old_des=C169
  AB1-C112: Old_des=C170
  AB1-C113: Old_des=C171
  AB1-C114: Old_des=C172
  AB1-C115: Old_des=C173
  AB1-C116: Old_des=C174
  AB1-C117: Old_des=C175
  AB1-C118: Old_des=C143
  AB1-C119: Old_des=C162
  AB1-C122: Old_des=C176
  AB1-C123: Old_des=C177
  AB1-C124: Old_des=C178
  AB1-C125: Old_des=C179
  AB1-C126: Old_des=C180
  AB1-C127: Old_des=C181
  AB1-C128: Old_des=C182
  AB1-C129: Old_des=C183
  AB1-C130: Old_des=C144
  AB1-C131: Old_des=C163
  AB1-C134: Old_des=C184
  AB1-C135: Old_des=C185
  AB1-C136: Old_des=C186
  AB1-C137: Old_des=C187
  AB1-C138: Old_des=C188
  AB1-C139: Old_des=C189
  AB1-C140: Old_des=C190
  AB1-C141: Old_des=C191
  AB1-C142: Old_des=C145
  AB1-C143: Old_des=C164
  AB1-C146: Old_des=C192
  AB1-C147: Old_des=C193
  AB1-C148: Old_des=C194
  AB1-C149: Old_des=C195
  AB1-C150: Old_des=C196
  AB1-C151: Old_des=C197
  AB1-C152: Old_des=C198
  AB1-C153: Old_des=C199
  AB1-C154: Old_des=C146
  AB1-C155: Old_des=C165
  AB1-C158: Old_des=C200
  AB1-C159: Old_des=C201
  AB1-C160: Old_des=C202
  AB1-C161: Old_des=C203
  AB1-C162: Old_des=C204
  AB1-C163: Old_des=C205
  AB1-C164: Old_des=C206
  AB1-C165: Old_des=C207
  AB1-C166: Old_des=C166
  AB1-C169: Old_des=C208
  AB1-C170: Old_des=C209
  AB1-C171: Old_des=C210
  AB1-C172: Old_des=C211
  AB1-C173: Old_des=C212
  AB1-C174: Old_des=C213
  AB1-C175: Old_des=C214
  AB1-C176: Old_des=C215
  AB1-C177: Old_des=C167
  AB1-C180: Old_des=C216
  AB1-C181: Old_des=C217
  AB1-C182: Old_des=C218
  AB1-C183: Old_des=C219
  AB1-C184: Old_des=C220
  AB1-C185: Old_des=C221
  AB1-C186: Old_des=C222
  AB1-C187: Old_des=C223
  AB1-C190: Old_des=C224
  AB1-C191: Old_des=C225
  AB1-C192: Old_des=C226
  AB1-C193: Old_des=C227
  AB1-C194: Old_des=C228
  AB1-C195: Old_des=C229
  AB1-C196: Old_des=C230
  AB1-C197: Old_des=C231
  AB1-C198: Old_des=C232
  AB1-C199: Old_des=C233
  AB1-C200: Old_des=C234
  AB1-C201: Old_des=C235
  AB1-C202: Old_des=C236
  AB1-C203: Old_des=C237
  AB1-C204: Old_des=C238
  AB1-C205: Old_des=C239
  AB1-C206: Old_des=C240
  AB1-C207: Old_des=C241
  AB1-C208: Old_des=C242
  AB1-C209: Old_des=C243
  AB1-C210: Old_des=C244
  AB1-C211: Old_des=C245
  AB1-C212: Old_des=C246
  AB1-C213: Old_des=C247
  AB1-C214: Old_des=C248
  AB1-C215: Old_des=C249
  AB1-C216: Old_des=C250
  AB1-C217: Old_des=C251
  AB1-C218: Old_des=C252
  AB1-C219: Old_des=C253
  AB1-C220: Old_des=C254
  AB1-C221: Old_des=C255
  AB1-C222: Old_des=C256
  AB1-C223: Old_des=C257
  AB1-C224: Old_des=C258
  AB1-C225: Old_des=C259
  AB1-C226: Old_des=C260
  AB1-C227: Old_des=C261
  AB1-C228: Old_des=C262
  AB1-C229: Old_des=C263
  AB2-C232: New_des=C232, Old_des=C391
  AB2-C234: New_des=C234, Old_des=C424
  AB2-C235: New_des=C235, Old_des=C460
  AB2-C236: New_des=C236, Old_des=C465
  AB2-C237: New_des=C237, Old_des=C445
  AB2-C238: New_des=C238, Old_des=C392
  AB2-C240: New_des=C240, Old_des=C425
  AB2-C241: New_des=C241, Old_des=C461
  AB2-C242: New_des=C242, Old_des=C466
  AB2-C243: New_des=C243, Old_des=C446
  AB2-C244: New_des=C244, Old_des=C393
  AB2-C246: New_des=C246, Old_des=C426
  AB2-C247: New_des=C247, Old_des=C462
  AB2-C248: New_des=C248, Old_des=C467
  AB2-C249: New_des=C249, Old_des=C447
  AB2-C250: New_des=C250, Old_des=C394
  AB2-C252: New_des=C252, Old_des=C427
  AB2-C253: New_des=C253, Old_des=C468
  AB2-C254: New_des=C254, Old_des=C448
  AB2-C255: New_des=C255, Old_des=C395
  AB2-C257: New_des=C257, Old_des=C428
  AB2-C258: New_des=C258, Old_des=C469
  AB2-C259: New_des=C259, Old_des=C449
  AB2-C260: New_des=C260, Old_des=C396
  AB2-C262: New_des=C262, Old_des=C429
  AB2-C263: New_des=C263, Old_des=C470
  AB2-C264: New_des=C264, Old_des=C450
  AB2-C265: New_des=C265, Old_des=C397
  AB2-C267: New_des=C267, Old_des=C430
  AB2-C268: New_des=C268, Old_des=C471
  AB2-C269: New_des=C269, Old_des=C451
  AB2-C270: New_des=C270, Old_des=C398
  AB2-C272: New_des=C272, Old_des=C431
  AB2-C273: New_des=C273, Old_des=C472
  AB2-C274: New_des=C274, Old_des=C452
  AB2-C275: New_des=C275, Old_des=C399